# Altium PCB JSP016RB.PcbDoc (part 2 of 2)
Units mm, origin at the board's own origin, x right, y up, seen from the top; angles counter-clockwise.
Board outline 104 x 55 mm, 2 copper layers (Top Layer, Bottom Layer), stack 1.78 mm thick; 164 components, 128 nets, 595 pads, 238 vias.
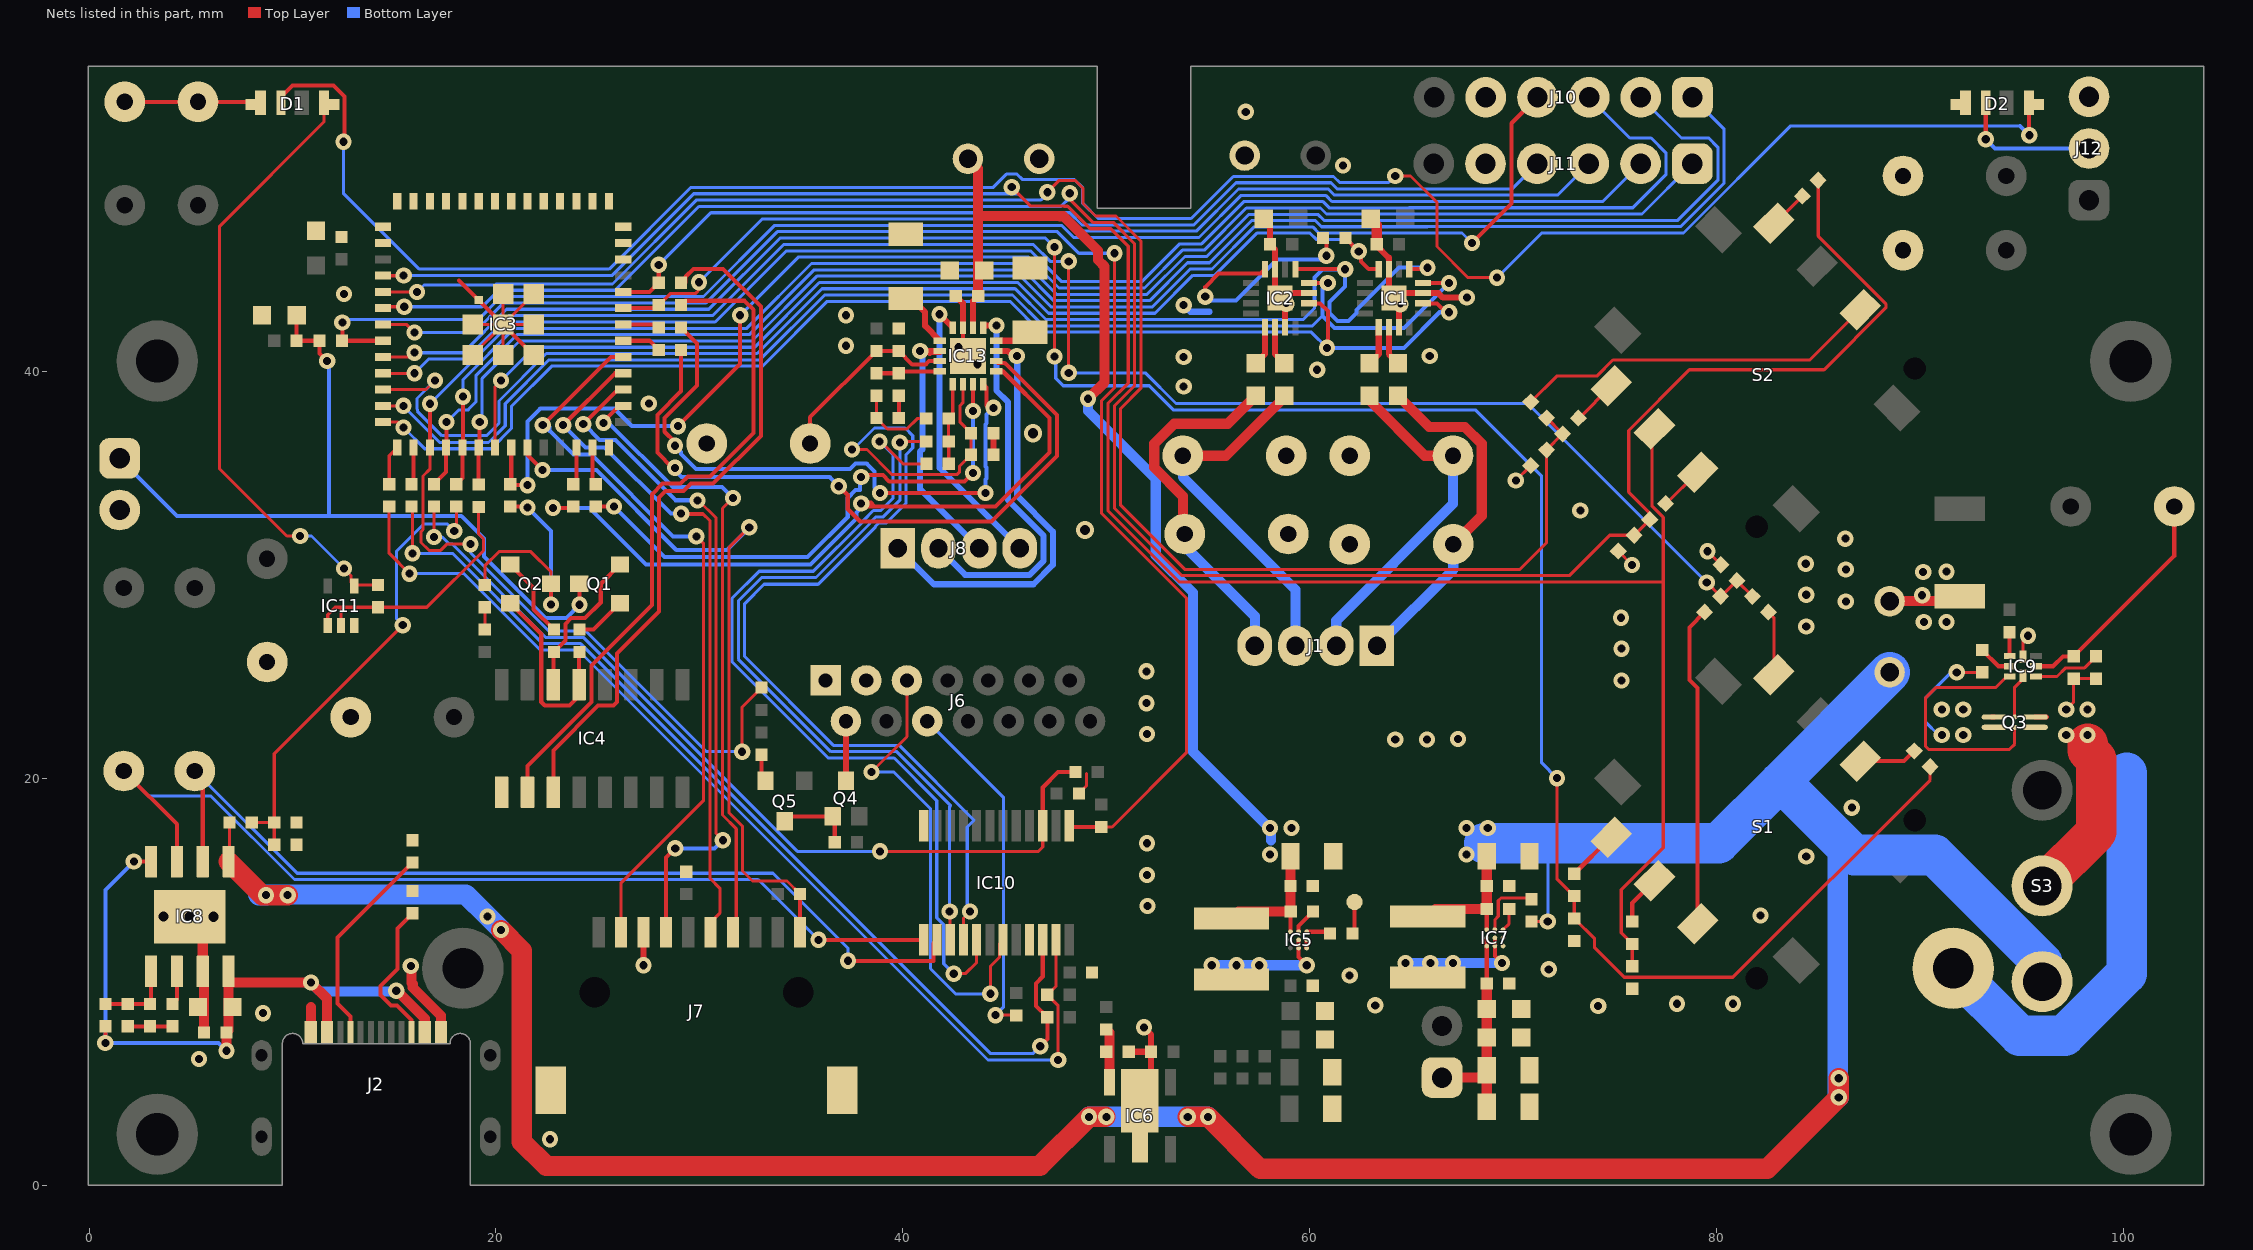
[diagram p2: the nets of this part, all layers, seen from the top]

## Via types
v1: diameter 0.8, hole 0.4, Top Layer to Bottom Layer, tented both sides, 228 vias
v2: diameter 0.9, hole 0.5, Top Layer to Bottom Layer, tented both sides, 5 vias
v3: diameter 0.8, hole 0.4, Top Layer to Bottom Layer, 3 vias
v4: diameter 0.8, hole 0.3, Top Layer to Bottom Layer, tented both sides, 2 vias

## Nets (pads, with @x,y where several pads share a name; then routed paths per layer and width w, separated by ;. In a path a pad name is that pad's centre, name@x,y a point inside that pad or via, vN(x,y) a via of type N, cw(c..) or ccw(c..) an arc to the next point about the centre after c; other vN are vias at no path point) (continued)
GND: C1.- C2.2 C3.1 C4.2 C5.2 C6.2 C7.1 C8.2 C9.2 C10.2 C11.1 C12.2 C13.2 C14.2 C15.2 C16.2 C17.1 C18.2 C19.2 C20.2 C21.2 C22.2 C23.2 C24.1 C25.1 C26.2 C27.2 C28.2 C29.2 C30.- C31.2 C32.1 C34.1 C35.2 C36.1 C37.1 C38.1 C39.1 C40.1 C41.2 C42.2 C45.- C46.2 C47.1 C48.2 C49.2 C51.1 D1.4 D2.4 IC1.3 IC1.11 IC1.15 IC1.E IC2.3 IC2.11 IC2.15 IC2.E IC3.1 IC3.2 IC3.27 IC3.38 IC3.39 IC3.40 IC3.41 IC3.42 IC3.43 IC3.44 IC3.45 IC3.46 IC3.47 IC3.48 IC3.49 IC3.50 IC3.51 IC3.52 IC3.53 IC3.54 IC3.55 IC3.56 IC3.57 IC3.58 IC3.59 IC3.60 IC3.61 IC3.62 IC3.63 IC4.1 IC5.C1 IC5.C2 IC6.2 IC7.C1 IC7.C2 IC8.3 IC8.E IC9.4 IC10.12 IC10.21 IC11.3 IC13.7 IC13.E J2.A1B12 J2.B1A12 J3.2 J6.1 J6.3 J7.6 J7.11 J10.5 J11.5 J12.3 Q5.2 R2.2 R3.2 R13.1 R14.2 R15.2 R20.1 R22.2 R25.2 R26.2 R27.2 R34.2 R38.2 R50.2 R51.1 R52.1 R53.1 R54.2 R67.2 R75.2 | length 79
  Top Layer w0.15: IC3.61@18.85,40.8 IC3.59@20.35,42.3 ; IC3.60@18.85,42.3 IC3.59@20.35,42.3 ; IC3.62@20.35,40.8 IC3.59@20.35,42.3 ; IC3.56@20.35,43.8 IC3.59@20.35,42.3 ; IC3.58@21.85,42.3 IC3.59@20.35,42.3 ; IC3.57@21.85,43.8 IC3.59@20.35,42.3 ; R50.2@38.7,38.8 R51.1@38.7,37.7 39.235,37.165 40.197,37.165 40.705,37.672 C48.2@41.15,37.672 ; C36.1@48.65,19.25 49.015,19.615 49.015,20.224 ; v1(70.129,34.629) R34.2@70.861,35.361 ; R38.2@75.161,31.161 v1(75.842,30.48) ; v1(79.55,31.15) R27.2@80.211,30.489 ; IC9.4@95.05,25.965 95.05,26.75 v1(95.3,27)
  Top Layer w0.2: C41.2@1.75,53.24 8.072,53.24 D1.4@8.2,53.112 ; R13.1@1.9,7.8 R15.2@4.1,7.8 ; 18.187,44.463 IC3.55@19.15,43.5 IC3.59@20.35,42.3 IC3.63@21.85,40.8 ; R25.2@33.05,21.15 33.05,20.075 Q5.2@33.25,19.875 ; IC13.7@42.95,42.135 42.95,41 IC13.E@43.2,40.75 ; IC5.C1@59.825,11.65 59.85,11.675 IC5.C2@59.85,12.05
  Top Layer w0.3: v1(27.25,10.8) J7.6@27.25,12.42 ; C47.1@42.6,43.7 42.95,43.35 IC13.7@42.95,42.135 ; C49.2@44.45,35.9 R67.2@44.45,36.954 ; C18.2@51.1,6.55 C16.2@52.2,6.55 ; IC6.2@51.65,4.15 52.2,4.7 C16.2@52.2,6.55 ; v1(51.85,7.75) 52.2,7.4 C16.2@52.2,6.55 ; C6.2@57.74,47.49 58.04,47.19 C7.1@58.04,46.24 58.29,45.99 IC2.3@58.29,45.015 58.29,43.84 IC2.E@58.54,43.59 ; IC2.11@58.79,42.165 58.79,43.34 IC2.E@58.54,43.59 ; IC2.15@59.965,43.84 58.79,43.84 IC2.E@58.54,43.59 ; C3.1@63.29,46.24 63.29,46.158 63.856,45.592 63.89,45.592 IC1.3@63.89,45.015 63.89,43.84 IC1.E@64.14,43.59 ; IC1.11@64.39,42.165 64.39,43.34 IC1.E@64.14,43.59 ; v1(67.72,43.62) 66.546,43.62 66.326,43.84 IC1.15@65.565,43.84 64.39,43.84 IC1.E@64.14,43.59
  Top Layer w0.5: v2(4.95,13.187) 5.585,12.552 IC8.3@5.585,10.5 5.65,10.435 C32.1@5.65,7.5 ; J2.A1B12@10.9,7.525 10.9,8.75 ; v1(15.815,10.763) 15.85,10.728 15.85,9.945 15.91,9.886 15.91,9.707 17.3,8.317 J2.B1A12@17.3,7.525 ; C2.2@62.99,47.49 63.29,47.19 C3.1@63.29,46.24 ; C30.-@88.5,28.7 91.7,28.7 R20.1@91.95,28.95
  Bottom Layer w0.3: v1(53.8,43.25) 54.124,42.926 55.069,42.926
  other v1: 22.65,2.25 5.4,6.2 8.55,8.45 74.173,8.8 63.215,8.833 78.05,8.913 80.8,8.913 61.96,10.3 71.746,10.6 82.15,13.25 52.025,13.715 52,15.237 84.4,16.15 52,16.8 86.643,18.55 64.2,21.901 65.763,21.901 67.285,21.926 52,22.165 51.975,23.687 75.318,24.8 51.975,25.25 75.318,26.363 84.401,27.45 90.184,27.679 91.3,27.679 75.293,27.885 86.35,28.687 90.1,28.99 84.401,29.013 90.15,30.138 91.3,30.15 86.35,30.25 84.376,30.535 86.325,31.772 73.3,33.15 27.514,38.416 53.8,39.25 60.362,40.072 43.659,40.347 53.8,40.7 65.9,40.746 42.741,41.18 37.2,41.25 37.2,42.75 12.525,43.8 61.633,50.113 56.85,52.75
  other v2: 3.65,13.2 6.123,13.187 48.95,32.2 46.4,36.95
  other v4: 58.842,43.304 64.45,43.29
IO0: Q2.3 R60.1 R61.2 | length 12.6
  Top Layer w0.15: R61.2@19.45,29.5 19.45,30.432 20.153,31.135 21.711,31.135 22.7,30.146 Q2.3@22.7,29.55
  Top Layer w0.2: R60.1@20.7,33.35 21.5,33.35 v1(21.55,33.3) ; v1(22.7,28.537) Q2.3@22.7,29.55
  Bottom Layer w0.2: v1(21.55,33.3) 22.7,32.15 v1(22.7,28.537)
IO0A: IC3.21 J11.1 R60.2 | length 71.9
  Top Layer w0.2: IC3.21@20.75,36.25 20.75,34.4 v1(21.55,34.4) ; v1(28.95,37.3) 32,40.35 v1(32,42.75)
  Bottom Layer w0.15: v1(32,42.75) 34.855,45.605 46.162,45.605 47.676,44.091 51.875,44.091 53.736,45.953 54.812,45.953 56.884,48.025 60.527,48.025 60.827,47.725 65.013,47.725 76.325,47.725 J11.1@78.8,50.2
  Bottom Layer w0.2: v1(21.55,34.4) 21.55,37.533 22.177,38.16 25.814,38.16 26.674,37.3 v1(28.95,37.3)
NetC4_1: C4.1 J1.1 L1.2 | length 17.2
  Top Layer w0.5: L1.2@64.34,38.79 65.87,37.26 67.624,37.26 68.45,36.434 68.45,32.9 C4.1@67.05,31.5
  Bottom Layer w0.5: J1.1@63.3,26.5 67.05,30.25 C4.1@67.05,31.5
NetC5_1: C5.1 J1.2 L2.2 | length 17.2
  Top Layer w0.5: L2.2@62.94,38.79 62.94,38.56 65.65,35.85 C5.1@67.04,35.85
  Bottom Layer w0.5: J1.2@61.3,26.5 61.3,27.744 67.04,33.484 C5.1@67.04,35.85
NetC8_1: C8.1 J1.3 L3.2 | length 17.9
  Top Layer w0.5: C8.1@53.762,35.85 55.88,35.85 58.74,38.71 L3.2@58.74,38.79
  Bottom Layer w0.5: C8.1@53.762,35.85 53.762,34.798 59.3,29.26 J1.3@59.3,26.5
NetC9_1: C9.1 J1.4 L4.2 | length 17.9
  Top Layer w0.5: C9.1@53.762,31.5 53.762,33.856 52.352,35.266 52.352,36.434 53.335,37.417 55.967,37.417 L4.2@57.34,38.79
  Bottom Layer w0.5: C9.1@53.762,31.5 57.3,27.962 J1.4@57.3,26.5
NetC18_1: C18.1 IC6.5 R8.2 | length 2.7
  Top Layer w0.5: R8.2@50,7.65 50.15,7.5 IC6.5@50.15,5.062
NetC25_2: C25.2 C26.1 C27.1 C28.1 C29.1 IC7.A1 IC7.A2 J5.1 | length 10.7
  Top Layer w0.2: C25.2@68.7,9.9 IC7.A1@68.7,11.75 IC7.A2@68.7,12.15
  Top Layer w0.5: J5.1@66.5,5.28 68.33,5.28 C28.1@68.7,5.65 ; C29.1@68.7,3.85 C28.1@68.7,5.65 ; C25.2@68.7,9.9 C28.1@68.7,5.65
NetC33_1: C33.1 IC9.2 R17.1 | length 11.5
  Top Layer w0.2: IC9.2@95.69,25.5 96.525,25.5 97.013,25.988 R17.1@97.55,25.988 102.49,30.927 C33.1@102.49,33.35
NetC34_2: C34.2 R39.1 R74.2 R75.1 | length 23
  Top Layer w0.15: R74.2@8,17.825 R75.1@9.1,17.825 ; C34.2@9.1,16.725 R75.1@9.1,17.825 ; v1(15.42,27.519) 9.1,21.199 R75.1@9.1,17.825 ; v1@18.05,32.15 R39.1@18.05,33.35
  Bottom Layer w0.15: v1(15.42,27.519) 15.115,27.824 15.115,31.163 16.437,32.485 17.615,32.485 v1(17.95,32.15)
NetC48_1: C48.1 IC13.13 R66.1 R70.1 | length 4
  Top Layer w0.15: R70.1@42.254,35.45 42.254,36.546 R66.1@42.25,36.55 C48.1@42.25,37.672 42.45,37.872 IC13.13@42.45,39.365
NetC49_1: C49.1 IC10.16 IC13.14 R67.1 | length 51.2
  Top Layer w0.15: v1(37.5,36.15) 38.233,36.15 39.468,34.915 41.551,34.915 42.651,34.915 42.789,35.053 42.789,35.339 C49.1@43.35,35.9 R67.1@43.35,36.954 42.815,37.489 42.815,38.313 42.95,38.448 IC13.14@42.95,39.365 ; IC10.16@42.975,12.05 42.975,13.125 v1(43.3,13.45)
  Bottom Layer w0.15: v1(37.5,36.15) 37.552,36.15 38.608,37.206 40.113,37.206 40.485,36.834 40.485,36.308 40.485,36.237 40.16,35.912 40.16,33.527 39.168,32.535 38.803,32.535 38.665,32.397 38.665,32.36 35.835,29.53 33.172,29.53 32.22,28.578 32.22,25.975 36.585,21.61 39.827,21.61 43.5,17.937 43.165,17.602 43.165,13.535 43.25,13.45 v1(43.3,13.45)
NetC50_1: C50.1 R51.2 | length 1.1
  Top Layer w0.2: R51.2@39.8,37.7 C50.1@39.8,38.8
NetC50_2: C50.2 IC13.12 R50.1 | length 3.2
  Top Layer w0.2: R50.1@38.7,39.9 C50.2@39.8,39.9 39.88,39.98 41.795,39.98 IC13.12@41.815,40
NetC51_2: C51.2 IC13.11 R49.2 R54.1 | length 9.4
  Top Layer w0.2: C51.2@35.44,36.45 35.44,37.74 R49.2@38.7,41 R54.1@39.8,41 40.46,40.34 41.123,40.34 41.283,40.5 IC13.11@41.815,40.5
NetD1_1: D1.1 IC11.4 R68.1 | length 30.5
  Top Layer w0.15: v3(10.375,31.9) 9.719,31.9 6.419,35.2 6.419,47.133 11.55,52.264 D1.1@11.55,53.188 ; v1(12.528,30.3) 12.875,29.953 12.875,29.607 IC11.4@13.031,29.45 13.081,29.5 R68.1@14.2,29.5
  Bottom Layer w0.15: v3(10.375,31.9) 10.928,31.9 v1(12.528,30.3)
NetD1_3: D1.3 D2.1 | length 105.7
  Top Layer w0.15: v1(64.2,49.6) 64.954,49.6 66.25,48.303 66.25,46.127 67.777,44.6 v1(69.2,44.6)
  Top Layer w0.2: D1.3@9.425,53.188 9.425,53.48 9.992,54.048 12.008,54.048 12.56,53.495 12.56,51.339 v1(12.5,51.279) ; D2.1@95.35,53.188 95.35,51.62 v1(95.37,51.6)
  Bottom Layer w0.15: v1(12.5,51.279) 12.5,48.75 16.233,45.017 25.56,45.017 29.584,49.041 44.443,49.041 45.087,49.685 45.613,49.685 45.863,49.435 48.413,49.435 48.835,49.013 48.835,48.255 49.587,47.503 54.17,47.503 56.242,49.575 61.169,49.575 61.469,49.275 63.875,49.275 v1(64.2,49.6) ; v1(69.2,44.6) 71.395,46.795 78.372,46.795 83.637,52.06 94.91,52.06
  Bottom Layer w0.2: 94.91,52.06 v1(95.37,51.6)
NetD2_3: D2.3 J12.2 | length 7.1
  Top Layer w0.2: D2.3@93.225,53.188 93.225,51.402 v1(93.227,51.4)
  Bottom Layer w0.2: v1(93.227,51.4) 93.687,50.94 98.29,50.94 J12.2@98.3,50.95
NetIC1_1: IC1.1 IC2.1 IC3.11 | length 68.9
  Top Layer w0.15: IC3.11@14.45,39.1 16.557,39.1 v1(16.997,39.54)
  Top Layer w0.2: IC2.1@59.29,45.015 v1(61.738,45.015) ; IC1.1@64.89,45.015 65.715,45.015 v1(65.79,45.09)
  Bottom Layer w0.15: v1(16.997,39.54) 16.12,38.663 16.12,38.137 16.135,38.122 16.135,38.037 17.338,36.834 19.531,36.834 20.145,37.447 20.145,38.537 22.478,40.87 32.84,40.87 36.025,44.055 45.52,44.055 47.034,42.541 59.681,42.541 60.23,43.09 60.23,43.4
  Bottom Layer w0.2: 60.23,43.4 60.23,44.613 60.617,45 61.723,45 v1(61.738,45.015) 61.738,44.172 60.98,43.413 60.98,42.867 61.367,42.48 61.913,42.48 62.3,42.867 62.3,43.008 64.382,45.09 v1(65.79,45.09)
NetIC1_4: IC1.4 IC3.20 R1.2 | length 52.7
  Top Layer w0.15: IC3.20@19.95,36.25 19.95,39.24 v1(20.25,39.54)
  Top Layer w0.2: R1.2@61.75,46.55 v1(62.406,45.894) 62.518,45.783 62.518,45.395 62.898,45.015 IC1.4@63.39,45.015
  Bottom Layer w0.15: v1(20.25,39.54) 21.89,41.18 32.712,41.18 35.897,44.365 45.648,44.365 47.162,42.851 52.388,42.851 54.25,44.713 55.326,44.713 57.397,46.785 60.013,46.785 60.315,46.483 61.818,46.483 v1(62.406,45.894)
NetIC1_9: IC1.9 L2.1 | length 2
  Top Layer w0.3: L2.1@62.94,40.39 63.39,40.84 IC1.9@63.39,42.165
NetIC1_10: IC1.10 L1.1 | length 2
  Top Layer w0.3: IC1.10@63.89,42.165 63.89,40.84 L1.1@64.34,40.39
NetIC1_14: IC1.14 IC2.14 IC3.13 | length 62.6
  Top Layer w0.15: IC3.13@14.45,37.5 15.183,37.5 v1(15.45,37.233)
  Top Layer w0.2: IC2.14@59.965,43.34 60.5,43.34 60.887,42.953 60.887,41.187 v1(60.85,41.15) ; IC1.14@65.565,43.34 66.246,43.34 66.686,42.9 v1(66.85,42.9)
  Bottom Layer w0.15: v1(15.45,37.233) 16.493,36.19 19.764,36.19 20.765,37.191 20.765,38.28 22.735,40.25 33.097,40.25 36.282,43.435 45.263,43.435 46.777,41.921 60.079,41.921 v1(60.85,41.15)
  Bottom Layer w0.2: v1(60.85,41.15) 64.629,41.15 66.379,42.9 v1(66.85,42.9)
NetIC1_16: IC1.16 IC2.16 IC3.12 | length 62.7
  Top Layer w0.15: IC3.12@14.45,38.3 v1(15.45,38.3)
  Top Layer w0.2: IC2.16@59.965,44.34 v1(60.89,44.34) ; IC1.16@65.565,44.34 66.83,44.34 v1(66.84,44.33)
  Bottom Layer w0.15: v1(15.45,38.3) 15.45,38.283 17.234,36.5 19.636,36.5 20.455,37.319 20.455,38.409 22.606,40.56 32.968,40.56 36.153,43.745 45.392,43.745 46.905,42.231 60.134,42.231 60.62,42.718
  Bottom Layer w0.2: v1(60.89,44.34) 60.62,44.07 60.62,42.718 61.218,42.12 64.63,42.12 v1(66.84,44.33)
NetIC2_4: IC2.4 R1.1 | length 11.6
  Top Layer w0.2: v1(54.864,43.668) 54.864,44.147 55.517,44.8 57.575,44.8 IC2.4@57.79,45.015 ; R1.1@60.65,46.55 60.813,46.387 v1(60.813,45.675)
  Bottom Layer w0.2: v1(54.864,43.668) 55.051,43.48 56.38,43.48 58.39,45.49 60.628,45.49 v1(60.813,45.675)
NetIC2_9: IC2.9 L4.1 | length 2
  Top Layer w0.3: L4.1@57.34,40.39 57.79,40.84 IC2.9@57.79,42.165
NetIC2_10: IC2.10 L3.1 | length 2
  Top Layer w0.3: IC2.10@58.29,42.165 58.29,40.84 L3.1@58.74,40.39
NetIC3_4: IC3.4 R26.1 R63.2 S2.2 | length 110.5
  Top Layer w0.16: IC3.4@14.45,44.7 15.46,44.7 v1(15.462,44.702) ; v1(45.35,49.05) 46.283,48.116 47.928,48.116 47.935,48.11 48.097,48.11 49.205,47.001 50.215,47.001 51.073,46.144 51.073,39.417 50.082,38.426 50.082,33.148 53.59,29.64 77.343,29.64 77.375,29.673 ; R26.1@75.85,10.75 R63.2@75.85,11.85 75.31,12.39 75.31,14.519 77.375,16.585 77.375,29.673 ; S2.2@76.944,37.166 77.15,36.96 76.825,36.96 76.825,33.367 77.375,32.816 77.375,29.673
  Bottom Layer w0.16: v1(15.462,44.702) 25.691,44.702 29.714,48.726 45.626,48.726 45.35,49.003 v1(45.35,49.05)
NetIC3_5: IC3.5 R34.1 R35.2 R42.1 | length 84.2
  Top Layer w0.15: IC3.5@14.45,43.9 v1(16.118,43.9) ; v1(47.1,48.8) 47.685,49.385 48.463,49.385 48.85,48.998 48.85,48.24 49.464,47.626 50.474,47.626 51.698,46.402 51.698,39.158 50.707,38.167 50.707,33.407 53.848,30.265 70.333,30.265 71.639,31.571 R34.1@71.639,36.139
  Top Layer w0.16: R34.1@71.639,36.139 R35.2@72.422,36.922 72.422,36.928 R42.1@71.639,37.711
  Bottom Layer w0.15: v1(16.118,43.9) 16.458,44.24 19.95,44.24 20,44.29 25.724,44.29 29.845,48.411 46.771,48.411 47.1,48.74 v1(47.1,48.8)
NetIC3_6: IC3.6 R36.1 R38.1 R41.2 | length 110.4
  Top Layer w0.15: IC3.6@14.45,43.1 14.52,43.17 v1(15.491,43.17) ; v1(48.2,48.75) 48.2,48.452 49.336,47.316 50.345,47.316 51.388,46.274 51.388,39.286 50.397,38.295 50.397,33.279 53.72,29.955 72.755,29.955 74.739,31.939 R38.1@75.939,31.939
  Top Layer w0.16: R38.1@75.939,31.939 R41.2@76.711,32.711 76.711,33.028 75.679,34.06 75.679,37.088 78.662,40.072 85.281,40.072 88.321,43.112 88.321,43.311 84.989,46.643 R36.1@84.989,49.389
  Bottom Layer w0.15: v1(15.491,43.17) 19.319,43.17 20.129,43.98 25.852,43.98 29.973,48.101 47.767,48.101 48.2,48.535 v1(48.2,48.75)
NetIC3_7: IC3.7 IC10.1 R46.1 | length 72.6
  Top Layer w0.15: R46.1@49.75,17.6 50.285,17.6 53.95,21.265 53.95,28.834 49.767,33.018 49.767,38.556 50.4,39.19 v1(50.4,45.8)
  Top Layer w0.16: IC3.7@14.45,42.3 15.6,42.3 v1(16,41.9)
  Top Layer w0.2: IC10.1@48.175,17.65 48.225,17.6 R46.1@49.75,17.6
  Bottom Layer w0.15: v1(16,41.9) 18.926,41.9 20.386,43.36 30.328,43.36 33.829,46.861 47.587,46.861 48.648,45.8 v1(50.4,45.8)
  Bottom Layer w0.16: v1@16,41.765 v1(16,41.9)
NetIC3_9: IC3.9 R22.1 R23.2 R30.1 | length 114
  Top Layer w0.16: IC3.9@14.45,40.7 15.785,40.7 v1(16,40.915) ; v1(47.45,40.721) 47.45,43.85 ; 47.45,43.85 v1(47.45,46.1) ; v1(72.15,20) 72.15,15.05 R23.2@73,14.2 R22.1@73,13.1 74,12.1 74,11.661 75.451,10.21 80.793,10.21 90.489,19.906 R30.1@90.489,20.561
  Bottom Layer w0.15: 33.959,46.546 33.964,46.551 46.999,46.551 v1(47.45,46.1)
  Bottom Layer w0.16: v1(16,40.915) 18.386,40.915 20.516,43.045 30.458,43.045 33.959,46.546 ; v1(47.45,40.721) 47.51,40.661 47.51,39.656 47.885,39.281 48.826,39.281 48.835,39.29 52.105,39.29 53.295,38.1 53.8,38.1 68.137,38.1 71.395,34.842 71.395,20.755 v1(72.15,20)
NetIC3_10: IC3.10 R24.1 R27.1 R29.2 | length 80.9
  Top Layer w0.15: IC3.10@14.45,39.9 v1(15.99,39.9) ; v1(48.15,39.921) v1(48.15,45.4)
  Top Layer w0.16: v1(79.51,29.618) R29.2@80.189,28.939 80.217,28.939 R27.1@80.989,29.711 R24.1@81.761,28.939
  Bottom Layer w0.15: v1(15.99,39.9) 16.69,40.6 18.516,40.6 20.647,42.73 30.642,42.73 34.137,46.225 46.419,46.225 47.244,45.4 v1(48.15,45.4) ; v1(48.15,39.921) 51.92,39.921 53.426,38.415 70.713,38.415 v1(79.51,29.618)
NetIC3_14: IC3.14 R6.1 | length 2
  Top Layer w0.16: R6.1@14.75,34.45 14.75,35.85 IC3.14@15.15,36.25 IC3.14@15.2,36.2
NetIC3_15: IC3.15 R28.1 | length 1.8
  Top Layer w0.2: R28.1@15.85,34.45 15.95,34.55 IC3.15@15.95,36.25
NetIC3_22: IC3.22 J7.9 R40.1 | length 36.4
  Top Layer w0.15: v1(32.45,32.327) 31.445,31.322 31.445,18.312 32.12,17.637 32.12,15.432 32.61,14.942 34.308,14.942 R40.1@34.95,14.3
  Top Layer w0.2: IC3.22@21.55,36.25 21.55,35.89 v1(22.29,35.15) ; J7.9@34.95,12.42 R40.1@34.95,14.3
  Bottom Layer w0.2: v1(22.29,35.15) 24.933,35.15 28.86,31.223 31.346,31.223 v1(32.45,32.327)
NetIC3_25: IC3.25 R43.2 | length 1.9
  Top Layer w0.2: R43.2@23.8,34.45 23.95,34.6 IC3.25@23.95,36.25
NetIC3_26: IC3.26 R47.2 | length 1.9
  Top Layer w0.2: IC3.26@24.75,36.25 24.75,34.6 R47.2@24.9,34.45
NetIC3_29: IC3.29 J7.2 | length 31.2
  Top Layer w0.15: J7.2@31.65,12.42 31.81,12.58 31.81,17.509 31.135,18.184 31.135,33.259 v1(31.65,33.774)
  Top Layer w0.2: v1(25.287,37.463) 25.287,37.537 26.05,38.3 IC3.29@26.25,38.3
  Bottom Layer w0.2: v1(25.287,37.463) 25.536,37.463 28.689,34.31 31.114,34.31 v1(31.65,33.774)
NetIC3_30: IC3.30 J7.5 | length 33.9
  Top Layer w0.15: v1(29.9,33.65) 29.959,33.65 30.825,32.784 30.825,17.275 v1(31.15,16.95)
  Top Layer w0.2: v1(24.29,37.4) 25.99,39.1 IC3.30@26.25,39.1 ; J7.5@28.35,12.42 28.35,16.09 v1(28.81,16.55)
  Bottom Layer w0.2: v1(24.29,37.4) 24.319,37.4 25.096,36.622 25.868,36.622 28.83,33.66 29.89,33.66 v1(29.9,33.65) ; v1(28.81,16.55) 30.75,16.55 v1(31.15,16.95)
NetIC3_31: IC3.31 J7.3 | length 34.9
  Top Layer w0.15: v1(29.1,33) 30.17,33 30.515,32.655 30.515,15.074 31.019,14.57 31.019,13.388 30.55,12.918 J7.3@30.55,12.42 ; 30.145,32.99 30.185,32.95
  Top Layer w0.2: v1(23.3,37.35) 23.307,37.35 25.857,39.9 IC3.31@26.25,39.9 ; v1(29.1,33) 29.11,32.99 30.145,32.99
  Bottom Layer w0.2: v1(23.3,37.35) 24.39,36.26 25.34,36.26 28.6,33 v1(29.1,33)
NetIC3_32: IC3.32 J7.7 | length 36.5
  Top Layer w0.15: J7.7@26.15,12.42 26.15,14.857 30.205,18.912 30.205,31.528 v1(29.85,31.883)
  Top Layer w0.2: v1(22.3,37.35) 25.65,40.7 IC3.32@26.25,40.7
  Bottom Layer w0.2: v1(22.3,37.35) 22.55,37.35 22.64,37.26 22.64,37.077 23.817,35.9 24.693,35.9 28.709,31.883 v1(29.85,31.883)
NetIC3_33: IC3.33 R44.2 | length 1.9
  Top Layer w0.2: IC3.33@26.25,41.5 27.55,41.5 R44.2@28,41.05
NetIC3_34: IC3.34 R48.2 | length 1.8
  Top Layer w0.2: IC3.34@26.25,42.3 27.85,42.3 R48.2@28,42.15
NetIC4_2: IC4.2 R58.2 | length 33.3
  Top Layer w0.2: IC4.2@21.55,19.3 21.55,20.602 24.685,23.737 24.685,25.535 27.66,28.51 27.66,33.952 28.18,34.473 29.073,34.473 29.433,34.833 30.525,34.833 32.66,36.968 32.66,43.023 32.22,43.464 29.314,43.464 R58.2@29.1,43.25
NetIC4_3: IC4.3 R59.2 | length 34.9
  Top Layer w0.2: IC4.3@22.82,19.3 22.82,21.363 25.022,23.565 25.783,23.565 25.955,23.737 25.955,26.12 28.02,28.185 28.02,33.803 28.329,34.113 29.222,34.113 29.582,34.473 30.674,34.473 33.02,36.819 33.02,43.172 31.161,45.032 29.705,45.032 29.318,44.645 29.318,44.35 R59.2@29.1,44.35
NetIC4_13: IC4.13 Q2.2 R19.1 | length 9.8
  Top Layer w0.2: Q2.2@20.7,28.6 22.225,27.075 22.225,23.737 22.397,23.565 23.618,23.565 24.09,24.037 IC4.13@24.09,24.6 24.09,26.19 R19.1@24.1,26.2
NetIC4_14: IC4.14 Q1.2 R55.1 | length 7.7
  Top Layer w0.2: IC4.14@22.8,24.62 IC4.14@22.82,24.6 22.82,26.17 R55.1@22.85,26.2 23.41,26.76 23.41,27.578 23.695,27.863 24.373,27.863 25.15,28.639 25.15,29.55 Q1.2@26.1,30.5
NetIC5_B1: IC5.B1 IC5.B2 L5.2 | length 6.1
  Top Layer w0.2: IC5.B2@59.45,12.05 IC5.B1@59.45,11.65 59.45,11.2 v1(59.85,10.8)
  Bottom Layer w0.5: v1(55.182,10.8) v1(59.85,10.8)
  other v1: 56.4,10.8 57.516,10.8
NetIC5_B3: IC5.B3 R7.2 | length 1.3
  Top Layer w0.2: IC5.B3@59.45,12.45 59.45,12.74 R7.2@60.16,13.45
NetIC5_C3: IC5.C3 R64.1 | length 1.2
  Top Layer w0.2: IC5.C3@59.85,12.45 60.913,12.45 R64.1@61,12.363
NetIC7_B1: IC7.B1 IC7.B2 L6.2 | length 6.1
  Top Layer w0.2: IC7.B2@69.1,12.15 IC7.B1@69.1,11.75 69.1,11.26 v1(69.45,10.91)
  Bottom Layer w0.5: v1(64.709,10.91) v1(69.45,10.91)
  other v1: 65.926,10.91 67.042,10.91
NetIC7_B3: IC7.B3 R71.2 | length 3.2
  Top Layer w0.15: IC7.B3@69.1,12.55 69.1,13.043 69.265,13.208 69.265,13.972 69.403,14.11 70.84,14.11 R71.2@70.9,14.05
NetIC7_C3: IC7.C3 R9.1 | length 1.1
  Top Layer w0.15: IC7.C3@69.5,12.55 69.8,12.85 R9.1@69.8,13.575
NetIC8_1: IC8.1 R10.1 R13.2 R14.1 | length 3.8
  Top Layer w0.2: R10.1@0.8,8.9 R14.1@3,8.9 3.045,8.945 IC8.1@3.045,10.5
NetIC8_2: IC8.2 R15.1 | length 1.7
  Top Layer w0.2: R15.1@4.1,8.9 4.315,9.115 IC8.2@4.315,10.5
NetIC8_6: IC8.6 IC10.14 R11.2 | length 46.3
  Top Layer w0.2: R11.2@5.2,20.35 5.585,19.965 IC8.6@5.585,15.9 ; v1(37.3,11.021) 37.306,11.015 41.51,11.015 41.51,11.885 IC10.14@41.675,12.05
  Bottom Layer w0.15: R11.2@5.2,20.35 10.225,15.325 33.616,15.325 37.3,11.641 v1(37.3,11.021)
NetIC8_7: IC8.7 IC10.13 R12.2 | length 48.3
  Top Layer w0.2: R12.2@1.7,20.35 4.315,17.735 IC8.7@4.315,15.9 ; v1(35.85,12.05) IC10.13@41.025,12.05
  Bottom Layer w0.15: R12.2@1.7,20.35 2.935,19.115 5.997,19.115 10.097,15.015 32.89,15.015 35.85,12.055 v1(35.85,12.05)
NetIC9_1: IC9.1 R16.1 | length 3.4
  Top Layer w0.15: IC9.1@95.69,25 96.73,25 97.153,25.422 98.085,25.422 R16.1@98.65,25.988
NetIC9_5: IC9.5 R62.1 | length 1.2
  Top Layer w0.2: R62.1@94.4,27.172 94.4,26.01 IC9.5@94.41,26
NetIC9_6: IC9.6 R18.2 | length 1.7
  Top Layer w0.2: R18.2@93.05,26.3 93.85,25.5 IC9.6@94.41,25.5
NetIC9_7: IC9.7 Q3.G2 | length 12.3
  Top Layer w0.15: IC9.7@94.41,25 94.26,25 93.71,24.45 90.774,24.45 90.272,23.947 90.272,21.553 90.409,21.415 94.397,21.415 94.65,21.668 Q3.G2@94.65,22.5
NetIC9_8: IC9.8 Q3.G | length 2.2
  Top Layer w0.15: Q3.G@94.65,23 94.65,24.468 95.05,24.868 IC9.8@95.05,25.035
NetIC10_3: IC10.3 R37.1 R45.1 | length 42.8
  Top Layer w0.15: v1(16.95,31.85) R37.1@16.95,33.35 ; v1(38.879,16.4) 46.663,16.4 46.875,16.612 IC10.3@46.875,17.65
  Top Layer w0.2: IC10.3@46.875,17.65 46.875,19.543 47.632,20.3 R45.1@48.48,20.3
  Bottom Layer w0.15: v1(16.95,31.85) 17.352,31.85 17.687,31.515 17.837,31.515 22.43,26.922 24.29,26.922 34.812,16.4 v1(38.879,16.4)
NetIC10_15: IC10.15 R66.2 | length 37.1
  Top Layer w0.15: v1(39.85,36.5) 39.85,36.529 39.871,36.55 R66.2@41.15,36.55 ; v1(42.3,13.45) 42.325,13.425 IC10.15@42.325,12.05
  Bottom Layer w0.15: v1(39.85,36.5) 39.85,33.655 39.04,32.845 38.674,32.845 38.355,32.526 38.355,32.488 35.725,29.858 33.062,29.858 31.91,28.707 31.91,25.846 36.456,21.3 39.698,21.3 42.35,18.648 42.3,18.598 v1(42.3,13.45)
NetIC10_17: IC10.17 R70.2 | length 43.1
  Top Layer w0.15: v1(38.85,36.55) 38.917,36.55 39.215,36.252 39.215,36.237 40.002,35.45 R70.2@41.154,35.45 ; v3(42.5,10.388) 43.071,10.388 43.625,10.942 IC10.17@43.625,12.05
  Bottom Layer w0.15: v1(38.85,36.55) 39.514,35.886 39.514,33.757 38.912,33.155 38.546,33.155 38.045,32.654 38.045,32.617 35.597,30.168 32.933,30.168 31.6,28.835 31.6,25.718 36.328,20.99 39.57,20.99 41.665,18.895 41.665,13.137 42.01,12.792 42.01,10.878 42.034,10.854 v3(42.5,10.388)
NetIC10_22: IC10.22 R28.2 R33.1 | length 49.3
  Top Layer w0.15: R28.2@15.85,33.35 15.95,33.25 15.9,33.2 v1(15.9,31.05)
  Top Layer w0.2: v1(46.75,6.822) 47.1,7.172 R33.1@47.1,8.25 46.54,8.81 46.54,9.91 46.875,10.245 IC10.22@46.875,12.05
  Bottom Layer w0.15: v1(15.9,31.05) 17.864,31.05 22.301,26.612 24.161,26.612 44.313,6.46 46.388,6.46 v1(46.75,6.822)
NetIC10_23: IC10.23 R6.2 R32.1 | length 52
  Top Layer w0.15: R6.2@14.75,33.35 14.75,31.05 v1(15.75,30.05) ; v1@15.801,30.101 15.9,30.002 v1@15.849,29.951 ; R32.1@47.1,9.35 47.635,8.815 47.635,6.153 v1(47.632,6.15)
  Top Layer w0.16: R32.1@47.1,9.35 47.525,9.775 IC10.23@47.525,12.05
  Bottom Layer w0.15: v1(15.75,30.05) 18.425,30.05 22.173,26.302 24.033,26.302 44.185,6.15 v1(47.632,6.15)
NetIC11_1: IC11.1 IC11.2 R57.1 R68.2 | length 12.7
  Top Layer w0.15: IC11.1@11.731,27.5 11.731,28.031 12.1,28.4 12.45,28.4 ; IC11.2@12.381,27.5 12.381,28.331 12.45,28.4 ; R57.1@19.15,33.328 19.15,31.998 19.385,31.763 19.385,31.182 16.603,28.4 R68.2@14.2,28.4 12.45,28.4
NetIC13_1: IC13.1 R43.1 | length 35.1
  Top Layer w0.2: v1(22.8,33.285) 23.735,33.285 R43.1@23.8,33.35 ; v1(37.95,33.5) 37.988,33.539 38.427,33.539 38.605,33.36 ; v1@38.1,33.35 44.55,33.35 47.212,36.012 47.212,37.696 44.909,40 IC13.1@44.585,40
  Bottom Layer w0.2: v1(22.8,33.285) 24.598,33.285 27.38,30.503 35.458,30.503 37.71,32.755 37.71,33.06 37.95,33.3 v1(37.95,33.5)
NetIC13_2: IC13.2 R44.1 | length 34.5
  Top Layer w0.2: v1(28.8,35.25) 28.683,35.25 27.93,36.003 27.93,37.848 29.1,39.018 R44.1@29.1,41.05 ; v1(36.85,34.35) 37.29,33.91 37.29,33.227 37.904,32.612 44.35,32.612 47.572,35.835 47.572,37.846 45.16,40.258 45.008,40.41 44.675,40.41 IC13.2@44.585,40.5
  Bottom Layer w0.2: v1(28.8,35.25) 28.8,35.133 29.129,34.804 36.405,34.804 36.85,34.359 v1(36.85,34.35)
NetIC13_3: IC13.3 J8.1 | length 20.9
  Top Layer w0.3: IC13.3@44.585,41 45.15,41 45.399,40.751 v1(45.601,40.751)
  Bottom Layer w0.3: J8.1@39.75,31.3 41.52,29.53 46.421,29.53 47.37,30.479 47.37,32.121 45.62,33.871 45.62,40.731 v1(45.601,40.751)
NetIC13_4: IC13.4 R53.2 | length 1.8
  Top Layer w0.3: IC13.4@44.585,41.5 45.825,41.5 R53.2@46.25,41.925
NetIC13_5: IC13.5 J8.2 | length 19.2
  Top Layer w0.3: IC13.5@43.95,42.135 44.065,42.25 v1(44.6,42.25)
  Bottom Layer w0.3: J8.2@41.75,31.3 43.06,29.99 46.23,29.99 46.91,30.67 46.91,31.93 45.16,33.681 45.16,38.494 44.6,39.054 v1(44.6,42.25)
NetIC13_8: IC13.8 J8.4 | length 14.1
  Top Layer w0.3: v1(41.8,42.8) 42.45,42.15 IC13.8@42.45,42.135
  Bottom Layer w0.3: v1(41.8,42.8) 41.8,35.25 J8.4@45.75,31.3
NetIC13_9: IC13.9 R52.2 | length 2.9
  Top Layer w0.3: R52.2@40.15,43.575 40.425,43.575 41.09,42.91 41.09,42.225 IC13.9@41.815,41.5
NetIC13_10: IC13.10 J8.3 | length 12.5
  Top Layer w0.3: v1(40.85,41) IC13.10@41.815,41 41.815,40.96 41.372,40.96 41.322,40.91
  Bottom Layer w0.3: v1(40.85,41) 40.96,40.89 40.96,36.168 40.85,36.058 40.85,34.2 J8.3@43.75,31.3
NetIC13_15: IC13.15 R47.1 | length 26.8
  Top Layer w0.2: R47.1@24.9,33.35 v1(25.8,33.35) ; v1(37.95,34.804) 38.036,34.89 39.019,34.89 39.329,34.58 43.03,34.58 v1(43.45,35) ; v1(43.45,38.05) IC13.15@43.45,39.365
  Bottom Layer w0.2: v1(25.8,33.35) 28.287,30.863 35.309,30.863 37.29,32.844 37.29,33.773 37.677,34.16 37.877,34.16 37.89,34.173 37.89,34.744 v1(37.95,34.804) ; v1(43.45,35) v1(43.45,38.05)
NetIC13_16: IC13.16 R48.1 | length 29.5
  Top Layer w0.2: v1(28.8,36.34) 28.8,36.516 28.29,37.027 28.29,37.699 29.89,39.299 29.89,41.36 R48.1@29.1,42.15 ; v1(38.879,34.02) 39.799,34.02 39.79,34.01 v1(44.06,34.01) ; IC13.16@43.95,39.365 44.11,39.205 v1@44.11,38.305
  Bottom Layer w0.2: v1(28.8,36.34) 29.1,36.04 29.1,35.928 29.838,35.19 37.403,35.19 37.677,35.464 38.223,35.464 38.61,35.077 38.61,34.289 v1(38.879,34.02) ; v1(44.06,34.01) 44.06,34.677 44.11,34.727 44.11,35.273 44.06,35.323 44.06,37.386 44.118,37.444 44.118,37.868 v1(44.45,38.2)
NetJ2_A5: J2.A5 R2.1 | length 10.2
  Top Layer w0.2: J2.A5@12.85,7.525 12.85,8.276 12.21,8.916 12.21,12.16 R2.1@15.9,15.85 R2.1@15.95,15.9
NetJ2_B5: J2.B5 R3.1 | length 7.3
  Top Layer w0.2: J2.B5@15.85,7.525 15.85,8.112 15.141,8.821 14.85,8.821 14.32,9.351 14.32,9.778 15.155,10.612 15.155,12.611 R3.1@15.9,13.356
NetJ6_2: J6.2 Q4.D | length 2.9
  Top Layer w0.3: Q4.D@37.2,19.875 J6.2@37.2,22.8
NetJ6_6: J6.6 R65.1 | length 17.2
  Top Layer w0.15: v1(44.55,8.35) 45.565,8.35 R65.1@45.575,8.34
  Bottom Layer w0.15: J6.6@41.2,22.8 44.935,19.065 44.935,8.735 v1(44.55,8.35)
NetQ1_1: Q1.1 R19.2 | length 2.5
  Top Layer w0.2: R19.2@24.1,27.3 24.8,27.3 Q1.1@26.1,28.6
NetQ2_1: Q2.1 R55.2 | length 4.1
  Top Layer w0.2: Q2.1@20.7,30.5 21.85,29.35 21.85,28.3 R55.2@22.85,27.3
NetQ3_S2: Q3.S2 R18.1 S3.2 | length 22.2
  Top Layer w0.15: v3(91.8,25.2) R18.1@93.05,25.2
  Top Layer w2: S3.2@96,14.7 98.66,17.36 98.66,20.93 98.232,21.358 98.232,21.69
  Bottom Layer w0.15: v1(91.068,22.121) 90.903,22.121 90.272,22.753 90.272,23.947 91.524,25.2 v3(91.8,25.2)
  Bottom Layer w1: S3.2@96,14.7 98.232,16.932 v1(98.232,22.121)
  other v1: 92.118,22.121 97.182,22.121
NetQ4_G: Q4.G Q5.3 R21.2 | length 3.8
  Top Layer w0.2: Q5.3@34.2,17.875 34.45,18.125 Q4.G@36.55,18.125 36.65,18.025 R21.2@36.65,16.85
NetR23_1: R23.1 S1.1 | length 2.6
  Top Layer w0.2: R23.1@73,15.3 74.787,17.087 S1.1@74.823,17.087
NetR24_2: R24.2 S1.4 | length 3.2
  Top Layer w0.16: R24.2@82.539,28.161 82.813,27.887 S1.4@82.813,25.077
NetR29_1: R29.1 S1.3 | length 15.8
  Top Layer w0.2: S1.3@79.066,12.844 79.066,24.427 78.664,24.828 78.664,27.414 R29.1@79.411,28.161
NetR30_2: R30.2 S1.6 | length 2.9
  Top Layer w0.2: S1.6@87.056,20.834 89.207,20.834 R30.2@89.711,21.339
NetR35_1: R35.1 S2.1 | length 2.3
  Top Layer w0.16: R35.1@73.2,37.7 73.236,37.7 S2.1@74.823,39.287
NetR36_2: R36.2 S2.4 | length 2
  Top Layer w0.16: S2.4@82.813,47.277 82.877,47.277 R36.2@84.211,48.611
NetR41_1: R41.1 S2.3 | length 2.2
  Top Layer w0.16: R41.1@77.489,33.489 77.51,33.489 S2.3@79.066,35.044
NetR42_2: R42.2 S2.6 | length 18.1
  Top Layer w0.16: R42.2@70.861,38.489 72.136,39.764 74.112,39.764 74.9,40.552 84.573,40.552 S2.6@87.056,43.034
NetR56_2: R56.2 R61.1 | length 1.1
  Top Layer w0.15: R56.2@19.45,27.3 R61.1@19.45,28.4
NetR63_1: R63.1 S1.2 | length 2.5
  Top Layer w0.2: R63.1@75.85,12.95 75.85,13.871 S1.2@76.944,14.966
NetR64_2: R64.2 TP1.1 | length 1.6
  Top Layer w0.2: R64.2@62.1,12.363 62.2,12.463 TP1.1@62.2,13.913
R/W: IC10.19 J6.5 | length 23.1
  Top Layer w0.15: v1(38.462,20.3) 40.2,22.038 J6.5@40.2,24.8 ; v1(44.3,9.4) 44.3,10.743 44.75,11.193 44.75,11.875 IC10.19@44.925,12.05
  Bottom Layer w0.15: v1(38.462,20.3) 39.552,20.3 41.355,18.497 41.355,10.635 42.59,9.4 v1(44.3,9.4)
RESET: C12.1 J3.1 Q1.3 R4.1 R5.2 | length 38.8
  Top Layer w0.2: C12.1@10.2,42.75 R4.1@10.2,41.5 R5.2@11.329,41.5 ; R5.2@11.329,41.5 11.329,40.871 v1(11.7,40.5) ; v1(24.1,28.523) Q1.3@24.1,29.55
  Bottom Layer w0.2: J3.1@1.5,35.72 4.33,32.89 11.8,32.89 ; v1(11.7,40.5) 11.8,40.4 11.8,32.89 ; v1(24.1,28.523) 23.454,27.877 22.427,27.877 19.41,30.894 19.41,31.773 18.293,32.89 11.8,32.89
RST: IC3.8 J11.2 R5.1 | length 70.8
  Top Layer w0.2: v1(12.45,42.4) 12.45,41.55 12.4,41.5 IC3.8@14.45,41.5
  Bottom Layer w0.15: v1(12.45,42.4) 12.585,42.535 19.122,42.535 20.257,43.67 30.199,43.67 33.701,47.171 47.794,47.171 48.392,46.573 54.555,46.573 56.627,48.645 60.783,48.645 61.084,48.345 64.756,48.345 74.405,48.345 J11.2@76.26,50.2
RXD0: IC3.35 J11.3 R58.1 | length 51.2
  Top Layer w0.15: R58.1@28,43.25 28.565,43.815 29.8,43.815 30.05,44.065 29.978,44.137 v1(29.978,44.372)
  Top Layer w0.2: IC3.35@26.25,43.1 R58.1@27.85,43.1
  Bottom Layer w0.15: v1(29.978,44.372) 33.088,47.481 48.074,47.481 48.672,46.883 54.427,46.883 56.499,48.955 60.912,48.955 61.212,48.655 64.628,48.655 72.175,48.655 J11.3@73.72,50.2
TCK: IC3.18 J10.2 R39.2 | length 78.9
  Top Layer w0.2: R39.2@18.05,34.45 18.35,34.75 IC3.18@18.35,36.25 18.375,36.275 v1(18.375,38.75)
  Bottom Layer w0.15: v1(18.375,38.75) 18.375,39.582 20.903,42.11 32.326,42.11 35.511,45.295 46.034,45.295 47.547,43.781 52.003,43.781 53.865,45.643 54.94,45.643 57.012,47.715 60.398,47.715 60.698,47.415 65.142,47.415 ; 65.142,47.415 78.09,47.415 80.06,49.385 80.06,51.015 79.615,51.46 78.27,51.46 J10.2@76.27,53.46
TDI: IC3.17 J10.1 R37.2 | length 78.1
  Top Layer w0.2: R37.2@16.95,34.45 17.55,35.05 IC3.17@17.55,36.25 17.57,36.27 v1(17.57,37.5)
  Bottom Layer w0.15: v1(17.57,37.5) 18.16,38.09 18.648,38.09 18.648,38.125 19.01,38.487 19.01,39.778 21.032,41.8 32.455,41.8 35.64,44.985 45.905,44.985 47.419,43.471 52.131,43.471 53.993,45.333 55.069,45.333 57.141,47.405 60.27,47.405 60.572,47.103 65.787,47.103 65.79,47.105 78.218,47.105 80.37,49.257 80.37,51.9 J10.1@78.81,53.46
TDO: IC3.19 J10.4 R57.2 | length 67.1
  Top Layer w0.2: R57.2@19.15,34.428 IC3.19@19.15,36.25 19.2,36.3 v1(19.2,37.5) ; v1(67.971,46.3) 69.92,48.249 69.92,52.19 J10.4@71.19,53.46
  Bottom Layer w0.15: v1(19.2,37.5) 19.32,37.62 19.32,39.65 21.16,41.49 32.583,41.49 35.768,44.675 45.777,44.675 47.291,43.161 52.26,43.161 54.122,45.023 55.197,45.023 57.269,47.095 60.141,47.095 60.444,46.793 67.478,46.793 v1(67.971,46.3)
TMS: IC3.16 J10.3 R31.2 | length 104
  Top Layer w0.15: IC3.16@16.75,36.25 16.75,35.183 16.415,34.847 16.415,32.213 16.315,32.113 16.315,31.587 16.707,31.195 17.283,31.195 17.587,31.5 v1(18.75,31.5) ; v1(32.1,21.3) 32.1,23.5 R31.2@33.05,24.45
  Top Layer w0.2: IC3.16@16.75,36.25 16.75,38.395 v1(16.755,38.4)
  Bottom Layer w0.15: v1(16.755,38.4) 20.775,42.42 30.77,42.42 34.265,45.915 46.29,45.915 47.804,44.401 51.746,44.401 53.608,46.263 54.684,46.263 56.755,48.335 60.655,48.335 60.955,48.035 64.885,48.035 75.877,48.035 77.52,49.678 77.52,50.722 76.782,51.46 75.73,51.46 J10.3@73.73,53.46 ; v1(18.75,31.5) 18.75,31.08 22.598,27.232 24.418,27.232 30.35,21.3 v1(32.1,21.3)
TXD0: IC3.36 J11.4 R59.1 | length 48.8
  Top Layer w0.2: IC3.36@26.25,43.9 27.55,43.9 R59.1@28,44.35 v1(28,45.23)
  Bottom Layer w0.15: v1(28,45.23) 30.561,47.791 48.202,47.791 48.801,47.193 54.298,47.193 56.37,49.265 61.04,49.265 61.34,48.965 64.5,48.965 69.945,48.965 J11.4@71.18,50.2
VBAT+: J9.1 Q3.S R16.2 R17.2 | length 24.5
  Top Layer w0.15: v1(97.182,23.379) 97.55,23.747 R17.2@97.55,24.887 R16.2@98.65,24.887
  Top Layer w0.25: Q3.S@93.5,23 Q3.S@93.65,23 ; Q3.S@95.65,23 Q3.S@96.2,23
  Bottom Layer w2: J9.1@91.625,10.65 91.625,10.613 94.898,7.34 97.102,7.34 100.15,10.388 100.15,20.25
  other v1: 91.068,23.379 92.118,23.379 98.232,23.379
VBUS: C31.1 C32.2 IC8.4 IC8.8 J2.A4B9 J2.B4A9 R10.2 | length 34.5
  Top Layer w0.2: v1(0.8,6.982) R10.2@0.8,7.8 ; v1(2.2,15.9) IC8.8@3.045,15.9
  Top Layer w0.5: v1(6.75,6.6) C32.2@6.75,7.5 6.855,7.605 6.855,9.9 6.905,9.95 v1(10.908,9.95) 11.7,9.158 J2.A4B9@11.7,7.525 ; v1(15.1,9.55) 15.133,9.55 16.5,8.183 J2.B4A9@16.5,7.525
  Bottom Layer w0.2: v1(2.2,15.9) 0.8,14.5 v1(0.8,6.982) 6.368,6.982 v1(6.75,6.6)
  Bottom Layer w0.5: v1(10.908,9.95) 11.344,9.514 15.064,9.514 v1(15.1,9.55)
VPACK+: C14.1 C15.1 C23.1 C24.2 C30.+ C45.+ C46.1 C47.2 IC5.A3 IC7.A3 IC8.5 IC13.6 L5.1 L6.1 R7.1 R9.2 R71.1 R74.1 S3.1 | length 225
  Top Layer w0.15: IC8.5@6.855,15.9 6.9,15.945 R74.1@6.9,17.825 ; R71.1@70.9,12.95 v1(71.7,12.95)
  Top Layer w0.2: L5.1@56.15,13.1 L5.1@56.5,13.45 ; IC5.A3@59.05,12.45 59.05,13.45 R7.1@59.06,13.45 ; L6.1@65.8,13.2 L6.1@66.175,13.575 ; IC7.A3@68.7,12.55 R9.2@68.7,13.575
  Top Layer w0.3: IC13.6@43.45,42.135 43.45,43.45 C47.2@43.7,43.7
  Top Layer w0.5: C45.+@43.2,50.45 43.7,49.95 43.7,47.626 ; C47.2@43.7,43.7 43.7,47.626 ; v1(49.1,38.65) 49.915,39.465 49.915,45.139 49.59,45.464 49.59,45.924 47.894,47.62 47.732,47.62 47.725,47.626 43.7,47.626 ; L5.1@56.5,13.45 59.05,13.45 C14.1@59.05,16.15 ; L6.1@66.175,13.575 R9.2@68.7,13.575 C24.2@68.7,14.7 C23.1@68.7,16.15
  Top Layer w1: IC8.5@6.855,15.9 8.505,14.25 v1(8.7,14.25) v1(9.759,14.25) ; v1(20.248,12.538) 21.27,11.517 21.27,2.131 22.464,0.937 46.737,0.937 v1(49.15,3.35) v1@49.95,3.35 ; v1(54,3.35) v1(55,3.35) 57.55,0.8 82.491,0.8 v1(86,4.309) v1(86,5.25)
  Bottom Layer w0.15: v1(71.7,12.95) 71.7,16.8
  Bottom Layer w0.5: v1(49.1,38.65) 49.1,38.05 52.433,34.717 52.433,30.95 54.26,29.123 54.26,21.29 58.1,17.45 58.1,16.95
  Bottom Layer w1: v1(8.7,14.25) 8.338,14.25 8.308,14.28 18.507,14.28 v1(19.587,13.2) v1(20.248,12.538) ; v1(49.15,3.35) v1(50,3.35) v1(54,3.35) v1(55,3.35) ; 83.1,19.8 85.95,16.949 85.95,4.359 v1(86,4.309)
  Bottom Layer w2: 68.574,16.8 71.7,16.8 80.1,16.8 83.1,19.8 ; C30.+@88.5,25.2 83.1,19.8 ; S3.1@96,10 96,10.938 90.713,16.225 86.761,16.225 83.187,19.8 83.1,19.8
  other v1: 58.05,16.25 67.7,16.25 58.05,17.55 59.1,17.55 67.7,17.55 68.75,17.55
pads on no net: IC1.5 IC1.6 IC1.12 IC1.13 IC2.5 IC2.6 IC2.12 IC2.13 IC3.23 IC3.24 IC3.28 IC3.37 IC4.7 IC4.8 IC4.9 IC4.10 IC4.11 IC4.12 IC4.15 IC6.1 J2.0 J2.A8 J2.B8 J7.0 J7.1 J7.8 J7.10 S1.0 S2.0 S3.3
copper on no net:
  other v1: 12.7,39.5 9.742,47.575 11.7,49.036

## Polygon pours and split planes (outlines as drawn)
GND on Top Layer "Top Layer-GND" (solid, remove dead copper, pour order 0): -0.05,55 13.25,55 13.25,49.1 27.45,49.1 27.45,55 49.55,55 49.55,48 54.15,48 54.15,55 103.95,55 103.95,0 18.75,0 18.75,7.45 9.5,7.45 9.5,0 -0.05,0
GND on Bottom Layer "Bottom Layer-No Net" (solid, remove dead copper, pour order 2): -0.05,55 13.25,55 13.25,49.1 27.45,49.1 27.45,55 49.55,55 49.55,48 54.15,48 54.15,55 103.95,55 103.95,0 18.75,0 18.75,7.45 9.5,7.45 9.5,0 -0.05,0

## Other copper
Top Layer:
  region net GND: 88.55,30.48
  region net GND: 91.95,27.89 91.95,30.55 89.7,30.55 89.65,30.5 89.65,27.25 91.744,27.25 91.744,27.89
  region net GND: 93.454,28.096
  region net VBAT+: 90.507,22.85 94.3,22.85 94.3,23.85 92.443,23.85 90.507,23.85
  region net VBAT+: 98.793,22.85 95,22.85 95,23.85 96.857,23.85 98.793,23.85
  region net NetQ3_S2: 98.793,22.65 95,22.65 95,21.65 96.857,21.65 98.793,21.65
  region net NetQ3_S2: 90.507,22.65 94.3,22.65 94.3,21.65 92.443,21.65 90.507,21.65
  region net VPACK+: 57.646,15.454 59.496,15.454 59.496,17.954 57.646,17.954
  region net VPACK+: 67.3,15.5 69.15,15.5 69.15,18 67.3,18
  region: 59.5,15.529
  region net GND: 69.4,12.25 70.05,12.25 70.05,11.484 69.4,11.484
  region net VPACK+: 68.8,12.45 68.8,13.55 68.35,13.55 68.35,12.45
  region net NetC25_2: 68.808,9.65 68.35,9.65 68.35,12.25 68.808,12.25
  region net GND: 59.75,12.15 60.4,12.15 60.4,11.384 59.75,11.384
  region net VPACK+: 59.15,12.35 59.15,13.45 58.7,13.45 58.7,12.35
  region net NetIC7_B1: 64.276,11.31 64.28,11.314 67.426,11.314 67.426,10.267 67.369,10.21 64.276,10.21
  region net NetIC5_B1: 54.75,11.2 54.754,11.204 57.9,11.204 57.9,10.157 57.843,10.1 54.75,10.1
  region net NetIC5_B1: 59.75,10.8
  region net 5V: 59.158,9.55 58.7,9.55 58.7,12.15 59.158,12.15
Bottom Layer:
  region net VBAT+: 96.55,22.85 96.55,24.918 100.732,24.918 101.15,24.5 101.15,20.073 99.227,18.15 99.05,18.15 99.05,21.3 99.05,22.85
  region net NetQ3_S2: 90.507,21.592 98.8,21.592 98.8,22.592 92.443,22.592 90.507,22.592
  region net VBAT+: 90.507,22.85 98.8,22.85 98.8,23.85 92.443,23.85 90.507,23.85
  region net VPACK+: 57.65,15.5 69.15,15.5 69.15,18 57.65,18

## Silkscreen, mask and mechanical layers (free items; w line width, h text height)
Top Overlay:
  text "GND" at 100.35,52.95 h1.5
  text "DOUT" at 100,50.5 h1.5
  text "+5V" at 100.3,47.8 h1.5
  text "WS2812" at 97.95,44.65 h1.5
  text "2024/07" at 77.1,5.2 h1.5
  text "JSP016RB" at 77.1,3.75 h1.5
  text "A J&W PRODUCTION" at 77.05,2.35 h1.5
Bottom Overlay:
  circle w0.2: c34.85,24.85 r0.112
  text "MOTOR" at 37.8,30.9 h2
  text "AUDIO" at 73.6,26.15 h2
  text "DISPLAY" at 34.2,22.9 h2
  text "BATTERY 3.7V" at 81.5,20.35 h2
Board:
  lines w0.1: -0.05,0 9.5,0 9.5,6.95 cw(c10,6.95) 10.5,6.95 17.74,6.95 cw(c18.24,6.95) 18.74,6.95 18.74,0 103.95,0 103.95,55 54.15,55 54.15,48 49.55,48 49.55,55 -0.05,55 -0.05,0 ; 34.05,26.5 cw(c34.05,27.75) 34.05,29 48.4,29 51.35,29 cw(c51.35,27.75) 51.35,26.5 34.05,26.5
Mechanical 11:
  lines w0.1: 340.131,154.58 348.678,154.58